# KiCad board GSTrackerOrderFile.kicad_pcb (continued)
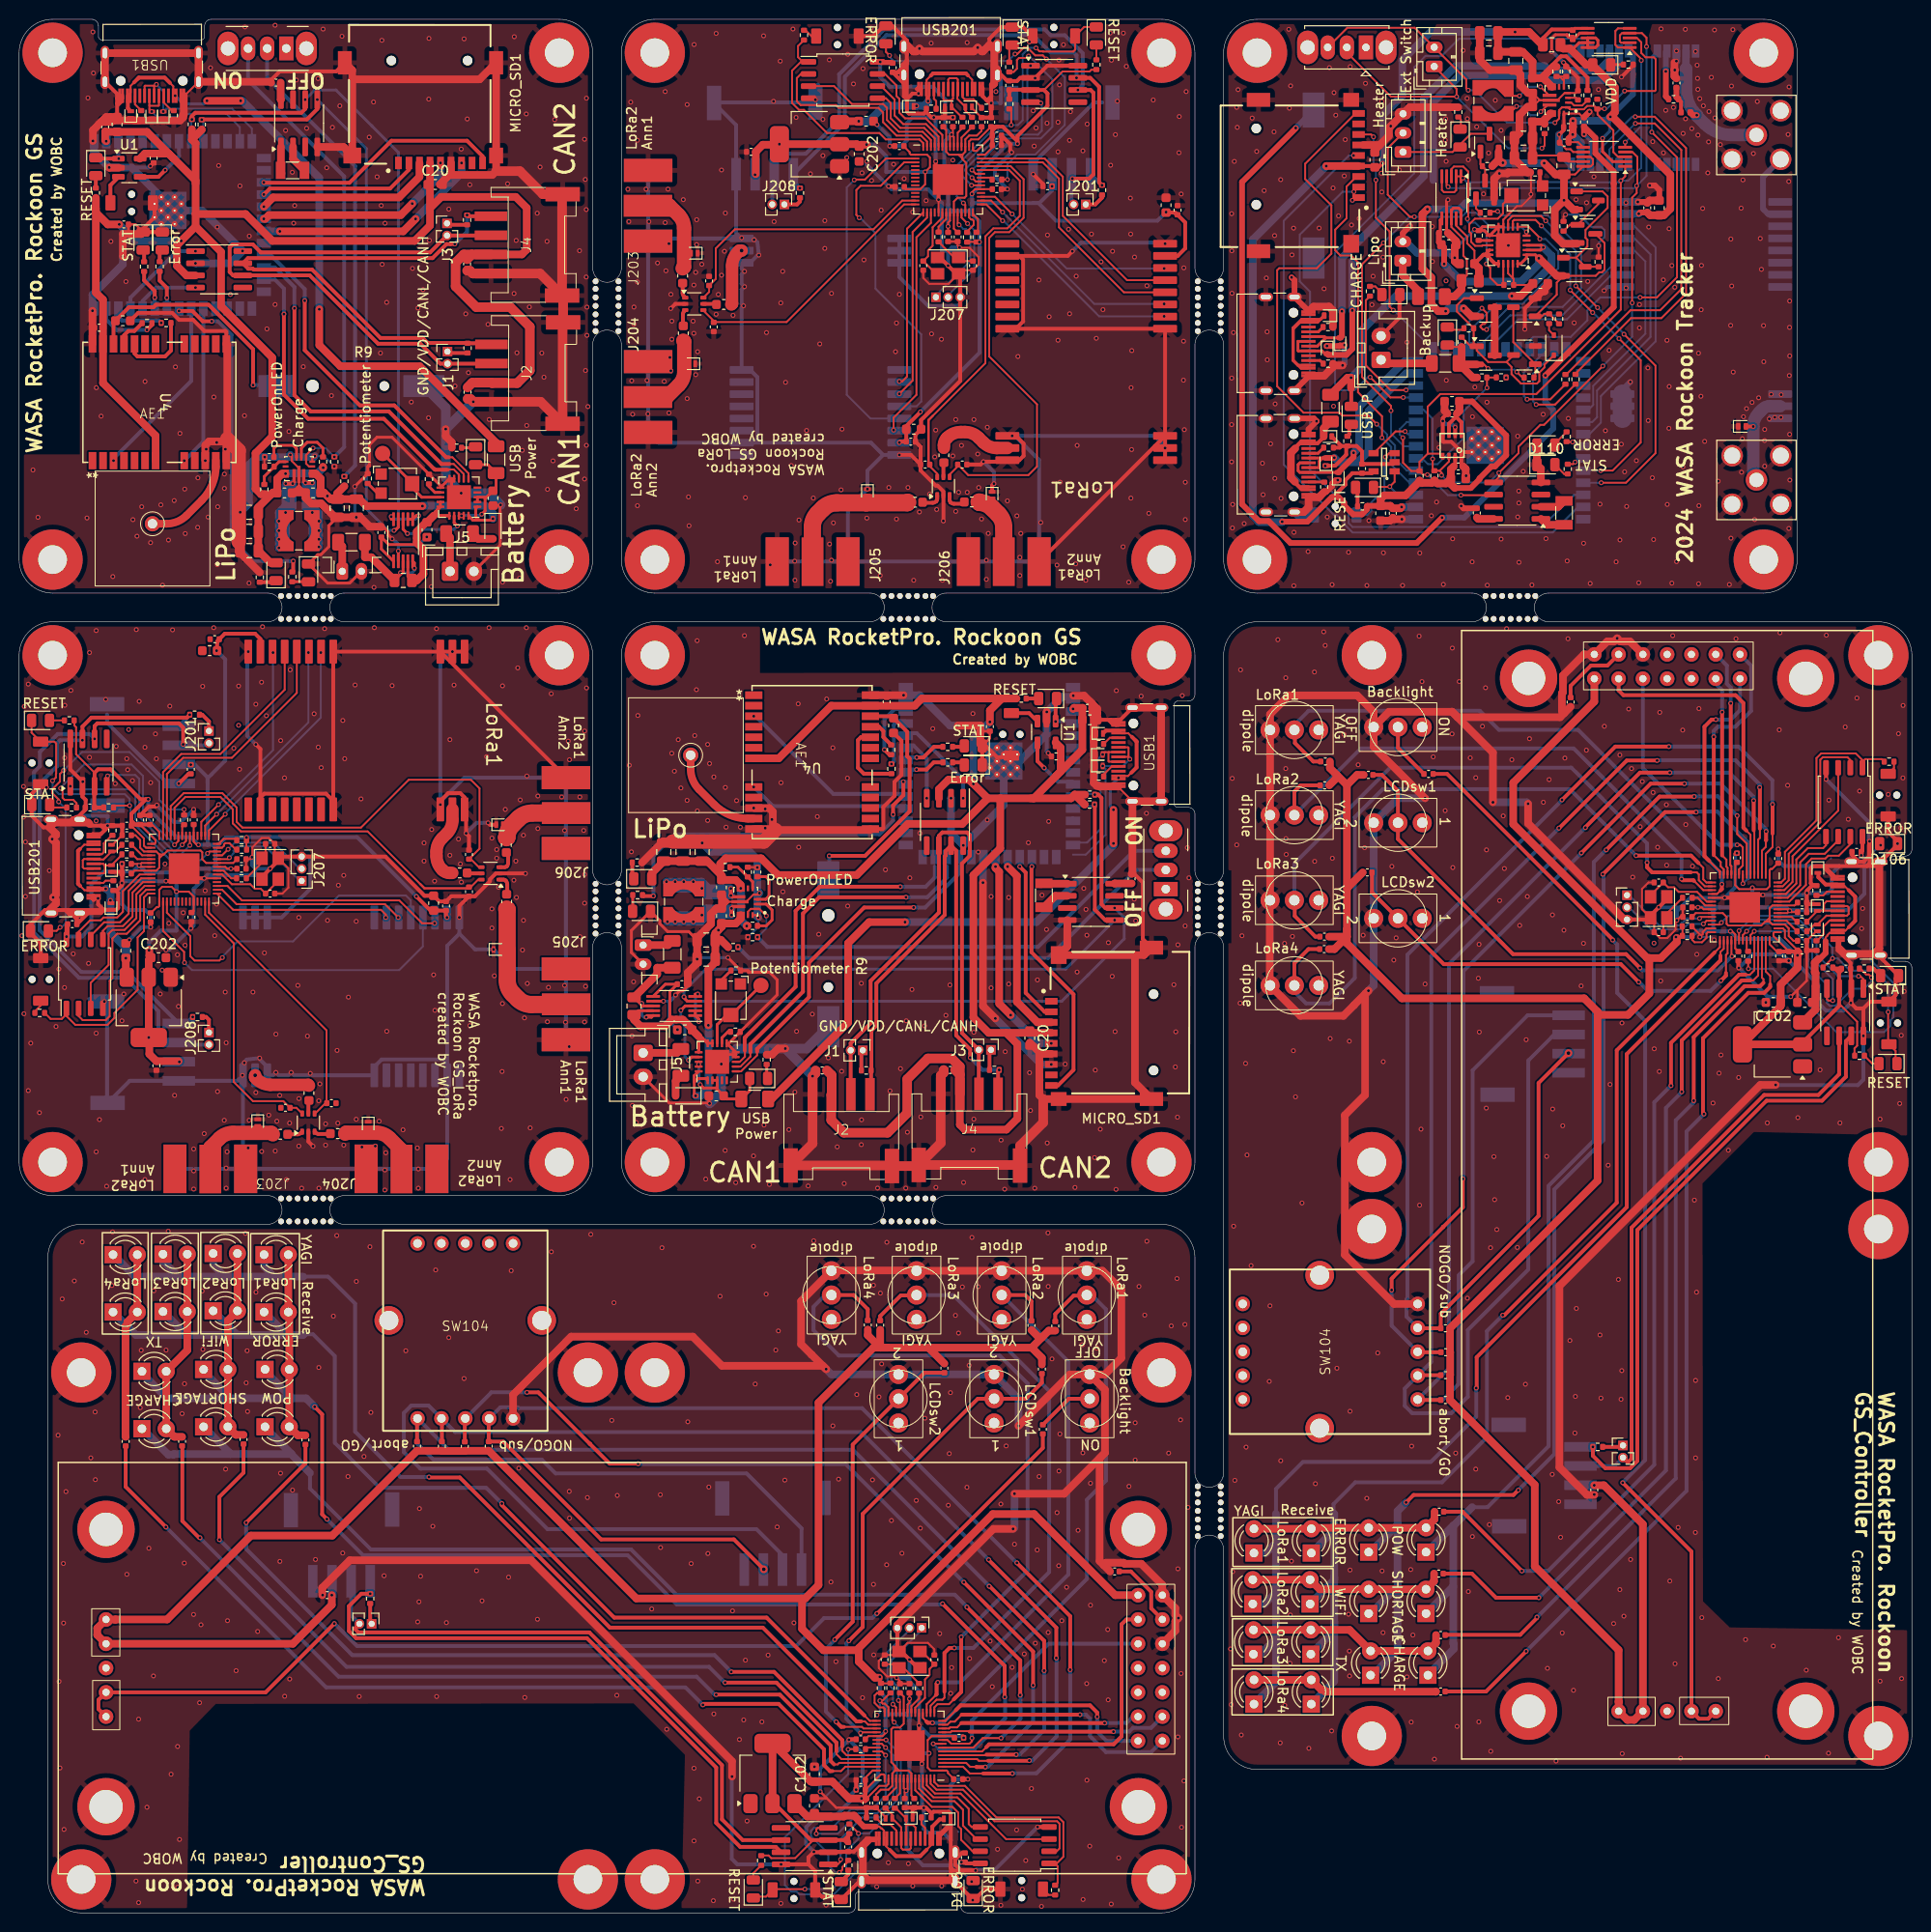
[diagram p0: board, top side]
## Routing (per net, layer and track width the routed paths; a pad name or vN(x,y) marks a point on that pad's centre or on a via; arc(x,y) is an arc through that point) (continued)

## Copper pours and planes (outline as drawn; the poured copper is in the pictures)
GND on Top, Bottom: -1.5,-1.6 2.7,-5.8 193,-5.8 199,0.2 199,195.6 200,196.6 194.8,201.8 1.1,201.8 -1.5,199.2

## Text on the board
B.Silkscreen: GND/VDD/CANL/CANH | GNG/VDD/CANL/CANH | GND/NoGo/abort/Go | CAN1 | CAN2 | LoRa2
User.Drawings: VDD | LiPo
F.Silkscreen: YAGI | Receive | WASA Rocketpro. / Rockoon GS_LoRa / created by WOBC | LoRa1 / Ann2 | LoRa1 / Ann1 | RESET | STAT | LoRa4 | ERROR | LCDsw2 | LoRa3 | LCDsw1 | LoRa2 | LoRa1 | Backlight | dipole | WiFi | TX | OFF | 2 | POW | SHORTAGE | CHARGE | ON | NOGO/ | abort | /GO | 1 | sub | Created by WOBC | Potentiometer | PowerOnLED | Charge | GND/VDD/CANL/CANH | Error | USB / Power | LoRa2 / Ann1 | LoRa2 / Ann2 | USB P | Lipo | Heater | Ext Switch | Backup | VDD | WASA RocketPro. Rockoon / GS_Controller | WASA RocketPro. Rockoon GS | 2024 WASA Rockoon Tracker | LiPo | Battery | CAN1 | CAN2
